# Altium PCB A_base2017.PcbDoc (part 2 of 4)
Units mil, origin at the board's own origin, x right, y up, seen from the top; angles counter-clockwise.
Board outline 3944.36 x 3947.83 mil, 2 copper layers (Top Layer, Bottom Layer); 105 components, 169 nets, 534 pads, 87 vias.
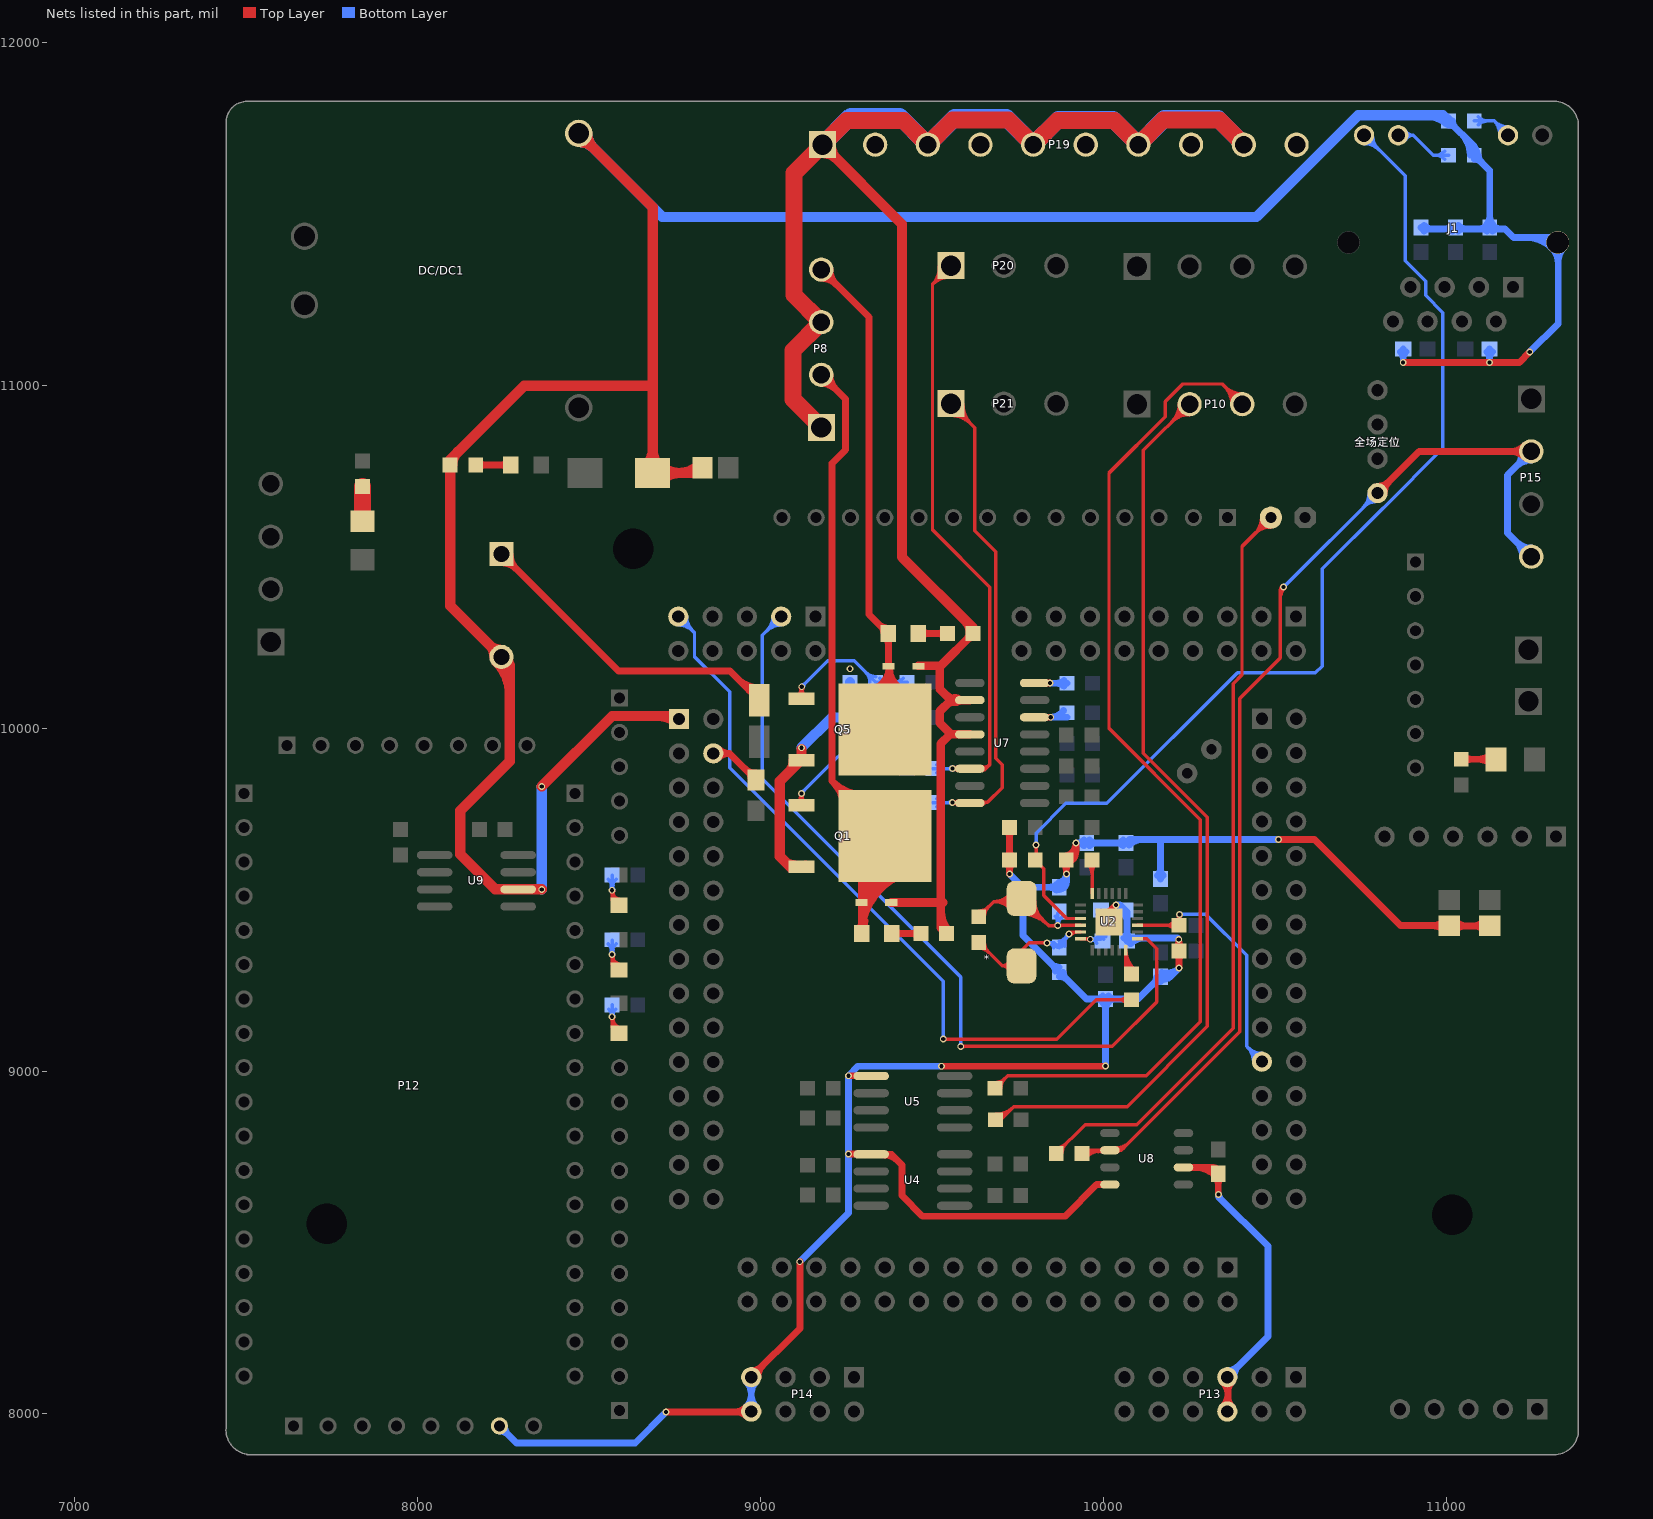
[diagram p2: the nets of this part, all layers, seen from the top]

## Via types
v1: diameter 20, hole 12, Top Layer to Bottom Layer, 86 vias
v2: diameter 12, hole 12, Top Layer to Bottom Layer, 1 vias

## Nets (pads, with @x,y where several pads share a name; then routed paths per layer and width w, separated by ;. In a path a pad name is that pad's centre, name@x,y a point inside that pad or via, vN(x,y) a via of type N, cw(c..) or ccw(c..) an arc to the next point about the centre after c; other vN are vias at no path point) (continued)
CANL: P15.2 P15.4 R60.1 U8.6 全场定位.1 | length 4049.7
  Top Layer w10: R60.1@9937.01,8759.84 9946.26,8769.09 U8.6@10018.7,8769.09 10052.09,8769.09 10397.64,9114.64 10397.64,10086.61 10515.75,10204.72 10515.75,10402.56 v1@10525,10411.81 ; R60.1@9941.71,8755.14 cw(c9975.41,8721.44) 9975.41,8769.09 ; R60.1@9948.78,8748.07 cw(c9999.55,8697.3) U8.6@9999.55,8769.09 ; 9984.46,8765.05 cw(c9989.27,8747.1) U8.6@9998.56,8763.2 ; 9987.38,8765.83 ccw(c9983.68,8779.65) U8.6@9996.07,8772.5 ; U8.6@9997.15,8764.28 ccw(c9985.53,8752.65) 9985.53,8769.09 ccw(c9985.53,8785.54) U8.6@9997.15,8773.91 ; U8.6@10035.43,8765.91 ccw(c10035.43,8798.43) 10058.43,8775.43 ; U8.6@10035.43,8775.91 ccw(c10035.43,8832.57) 10075.5,8792.5 ; U8.6@10040.25,8764.28 cw(c10051.88,8752.65) 10051.88,8769.09 cw(c10051.88,8785.54) U8.6@10040.25,8773.91 ; 10515.75,10376.93 cw(c10560.08,10376.93) v1@10528.73,10408.28 ; 10515.75,10401.07 cw(c10535.94,10401.07) v1@10521.66,10415.35 ; 10516.33,10403.14 cw(c10525.2,10394.26) v1@10525.2,10406.81 ; 10516.8,10403.61 ccw(c10508.6,10411.81) v1@10520.2,10411.81
  Top Layer w20: 全场定位.1@10799.21,10685.83 10920.67,10807.28 P15.2@11247.52,10807.28 ; 全场定位.1@10799.21,10705.35 ccw(c10799.21,10752.5) 10832.55,10719.16 ccw(c10865.88,10685.83) 全场定位.1@10818.74,10685.83 ; P15.2@11229.54,10789.3 ccw(c11186.12,10745.88) 11186.12,10807.28 ccw(c11186.12,10868.68) P15.2@11229.54,10825.27
  Bottom Layer w10: v1(10525.2,10411.81) 全场定位.1@10799.21,10685.83 ; v1@10525.2,10416.81 ccw(c10525.2,10428.88) 10533.73,10420.35 ccw(c10542.27,10411.81) v1@10530.2,10411.81 ; 全场定位.1@10774.69,10685.83 cw(c10715.47,10685.83) 10757.34,10643.96 cw(c10799.21,10602.08) 全场定位.1@10799.21,10661.3 ; 全场定位.1@10784.69,10685.83 cw(c10749.61,10685.83) 10774.41,10661.03 cw(c10799.21,10636.23) 全场定位.1@10799.21,10671.3
  Bottom Layer w20: P15.4@11222.09,10500.2 ccw(c11160.69,10500.2) 11204.1,10543.61 ccw(c11247.52,10587.03) P15.4@11247.52,10525.63 ; P15.2@11222.09,10807.28 cw(c11160.69,10807.28) 11204.1,10763.87 cw(c11247.52,10720.45) P15.2@11247.52,10781.85 ; P15.4@11247.52,10500.2 11178.15,10569.57 11178.15,10737.91 P15.2@11247.52,10807.28
D12: P10.2 R37.1 | length 2973.1
  Top Layer w10: R37.1@9684.63,8857.99 9700.57,8857.99 9738.58,8896 ; R37.1@9684.8,8864.64 ccw(c9686.12,8915.52) 9722.11,8879.53 ; R37.1@9685.06,8874.64 ccw(c9686.95,8947.62) 9738.58,8896 ; P10.2@10220.61,10945.13 cw(c10147.14,10945.13) 10199.09,10893.17 cw(c10251.04,10841.22) P10.2@10251.04,10914.69 ; P10.2@10230.61,10945.13 cw(c10181.28,10945.13) 10216.16,10910.24 cw(c10251.04,10875.36) P10.2@10251.04,10924.69 ; P10.2@10251.04,10945.13 10116,10810.08 10116,9927.31 10303.15,9740.16 10303.15,9130.15 10069,8896 9738.58,8896
D13: P10.3 R38.1 | length 3191.8
  Top Layer w10: R38.1@9684.06,8949.8 9720.47,8986.22 10124.22,8986.22 10282.48,9144.48 10282.48,9733.27 10016,9999.75 10016,10744.35 10180.12,10908.46 10180.12,10952.76 10231.3,11003.94 10345.77,11003.94 P10.3@10404.59,10945.13 ; R38.1@9684.06,8966.46 ccw(c9684.06,9006.66) 9712.48,8978.23 ccw(c9740.91,8949.8) R38.1@9700.71,8949.8 ; P10.3@10374.15,10945.13 ccw(c10300.68,10945.13) 10352.63,10997.08 ccw(c10404.59,11049.03) P10.3@10404.59,10975.56 ; P10.3@10384.15,10945.13 ccw(c10334.82,10945.13) 10369.7,10980.01 ccw(c10404.59,11014.89) P10.3@10404.59,10965.56
ETH_MDC: *.21 U2.13 | length 2551
  Top Layer w10: v1(9583.66,9071.85) 10025.39,9071.85 10155,9201.46 10155,9357 10125.98,9386.02 U2.13@10098.75,9386.02 ; v1@9587.2,9068.31 cw(c9595.73,9059.78) 9595.73,9071.85 cw(c9595.73,9083.92) v1@9587.2,9075.39
  Bottom Layer w10: *.21@9035.44,10325.51 cw(c8976.23,10325.51) 9018.1,10283.64 cw(c9059.97,10241.77) *.21@9059.97,10300.98 ; *.21@9045.44,10325.51 cw(c9010.37,10325.51) 9035.17,10300.71 cw(c9059.97,10275.91) *.21@9059.97,10310.98 ; *.21@9059.97,10325.51 9005,10270.54 9005,9853 9583.66,9274.34 v1(9583.66,9071.85) ; v1@9580.13,9075.39 ccw(c9571.59,9083.92) 9583.66,9083.92 ccw(c9595.73,9083.92) v1@9587.2,9075.39
ETH_MDIO: *.27 R1.1 | length 2398.4
  Top Layer w10: v1@9532.48,9092.85 9863.31,9092.85 9978.46,9208 R1.1@10082,9208 ; v1@9536.02,9089.97 cw(c9542.97,9083.01) 9542.97,9092.85 ; v1@9536.02,9097.04 ccw(c9546.13,9107.15) 9546.13,9092.85 ; R1.1@10070.22,9196.22 ccw(c10041.79,9167.79) 10041.79,9208 ccw(c10041.79,9248.21) R1.1@10070.22,9219.78
  Bottom Layer w10: *.27@8759.97,10300.98 cw(c8759.97,10241.77) 8801.84,10283.64 cw(c8843.71,10325.51) *.27@8784.5,10325.51 ; *.27@8759.97,10310.98 cw(c8759.97,10275.91) 8784.77,10300.71 cw(c8809.57,10325.51) *.27@8774.5,10325.51 ; *.27@8759.97,10325.51 8807.09,10278.39 8807.09,10208.66 8909.45,10106.3 8909.45,9884.55 9532.48,9261.52 v1(9532.48,9093.5) ; v1@9528.94,9097.04 ccw(c9520.41,9105.58) 9532.48,9105.58 ccw(c9544.55,9105.58) v1@9536.02,9097.04
ETH_RESET: *.109 R8.1 U2.15 | length 1050.5
  Top Layer w10: U2.15@10098.75,9425.39 R8.1@10220.28,9425.39 ; 10179.79,9425.39 cw(c10179.79,9384.52) R8.1@10208.7,9413.42 ; 10180.74,9425.39 ccw(c10180.74,9464.93) R8.1@10208.7,9436.97 ; R8.1@10211.77,9439.4 ccw(c10201.17,9456.69) v1(10221.46,9456.69) ; v1@10217.41,9453.76 cw(c10210.5,9448.76) 10218.74,9446.55 cw(c10226.98,9444.34) v1@10223.5,9452.13 ; v1@10217.92,9453.16 cw(c10209.39,9444.62) 10221.46,9444.62 cw(c10233.53,9444.62) v1@10224.99,9453.16 ; v1@10219.02,9452.33 cw(c10213.43,9442.31) 10224.52,9445.28 cw(c10235.59,9448.24) v1@10225.75,9454.13 ; R8.1@10221.46,9426.57 v1(10221.46,9456.69) ; R8.1@10230.52,9438.48 cw(c10244.29,9456.69) v1(10221.46,9456.69)
  Bottom Layer w10: v1(10221.46,9456.69) 10222.22,9457.46 10297.46,9457.46 10417.32,9337.6 10417.32,9072.16 *.109@10461.97,9027.51 ; v1@10224.99,9453.16 cw(c10235.37,9442.78) 10235.37,9457.46 ; v1@10224.99,9460.23 ccw(c10231.68,9466.92) 10231.68,9457.46 ; *.109@10437.44,9027.51 ccw(c10378.23,9027.51) 10420.1,9069.38 ccw(c10461.97,9111.25) *.109@10461.97,9052.04 ; *.109@10447.44,9027.51 ccw(c10412.37,9027.51) 10437.17,9052.31 ccw(c10461.97,9077.11) *.109@10461.97,9042.04
F6: P20.1 R50.1 U7.14 | length 2108
  Top Layer w10: P20.1@9521.14,11346.76 cw(c9453.11,11342.79) 9501.3,11294.61 ; P20.1@9531.12,11347.34 cw(c9482.89,11344.53) 9517.05,11310.36 cw(c9551.22,11276.2) P20.1@9554.03,11324.43 ; P20.1@9553.45,11314.45 ccw(c9549.48,11246.42) 9501.3,11294.61 ; P20.1@9555.45,11348.76 9501.29,11294.6 ; v1(9560,9882) 9657,9882 ; v1@9561.84,9882 cw(c9561.84,9864.91) U7.14@9573.92,9876.99 ; v1@9562.75,9882 ccw(c9562.75,9897.8) U7.14@9573.92,9886.63 ; v1@9563.54,9878.46 cw(c9572.07,9869.93) 9572.07,9882 cw(c9572.07,9894.07) v1@9563.54,9885.54 ; U7.14@9640.55,9878.85 ccw(c9646.32,9893.24) 9657.28,9882.28 ; U7.14@9644.27,9888.13 ccw(c9652.45,9908.54) 9667.99,9892.99 ; U7.14@9646.71,9886.47 ccw(c9657,9896.1) 9657,9882 ; U7.14@9646.89,9877.37 cw(c9657,9868.66) 9657,9882 ; 9501.29,11294.6 9501.29,10578.28 9667.99,10411.58 9667.99,9892.99 ; 9657,9882 9667.99,9892.99
  Bottom Layer w10: R50.1@9502,9882 v1(9560,9882) ; R50.1@9513.78,9870.22 cw(c9542.21,9841.79) 9542.21,9882 cw(c9542.21,9922.21) R50.1@9513.78,9893.78 ; v1@9556.46,9878.46 ccw(c9547.93,9869.93) 9547.93,9882 ccw(c9547.93,9894.07) v1@9556.46,9885.54
F7: P21.1 R49.1 U7.16 | length 1789.3
  Top Layer w10: P21.1@9554.56,10945.59 9624.03,10876.12 9624.03,10576.32 9685.99,10514.35 9685.99,9912.06 9704.72,9893.33 9704.72,9826.72 9661.58,9783.58 ; P21.1@9555.45,10912.11 cw(c9555.45,10833.45) 9611.07,10889.07 ; P21.1@9555.45,10922.11 cw(c9555.45,10867.6) 9594,10906.15 ; v1@9562.02,9779.56 cw(c9566.94,9772.9) 9569.08,9780.9 cw(c9571.22,9788.89) v1@9563.64,9785.58 ; v1@9562.59,9780.05 cw(c9571.13,9771.51) 9571.13,9783.58 cw(c9571.13,9795.65) v1@9562.59,9787.12 ; v1@9566.57,9783.58 ccw(c9566.57,9793.98) U7.16@9573.92,9786.63 ; U7.16@9573.75,9777.18 ccw(c9559.06,9763.53) v1(9559.05,9783.58) 9661.58,9783.58 ; P21.1@9579.82,10946.48 ccw(c9642.97,10946.48) 9598.32,10901.83 ; P21.1@9589.82,10946.48 ccw(c9677.11,10946.48) 9615.39,10884.76 ; U7.16@9646.55,9786.63 ccw(c9653.9,9793.98) 9653.9,9783.58 ; U7.16@9646.69,9777.15 cw(c9661.58,9763.15) 9661.58,9783.58
  Bottom Layer w10: R49.1@9502,9783 v1@9558.47,9783 ; R49.1@9513.78,9771.22 cw(c9542.21,9742.79) 9542.21,9783 cw(c9542.21,9823.21) R49.1@9513.78,9794.78 ; 9545.58,9783 ccw(c9545.58,9797.06) v1@9555.52,9787.12 ; 9548.39,9783 cw(c9548.39,9772.92) v1@9555.52,9780.05
G2_C: Q1.G R27.2 R30.2 | length 776
  Top Layer w10: Q1.G@9109.41,9784.96 ccw(c9086.02,9808.35) 9119.09,9808.35 ccw(c9152.17,9808.35) Q1.G@9128.78,9784.96 ; v1@9114.76,9807.54 cw(c9103.02,9800.76) 9116.12,9797.25 ; v1@9115.56,9806.5 cw(c9107.02,9797.97) 9119.09,9797.97 cw(c9131.17,9797.97) v1@9122.63,9806.5 ; v1@9116.59,9805.71 cw(c9111.3,9796.55) 9121.52,9799.28 ; 9116.67,9799.29 cw(c9126.88,9796.55) v1@9121.59,9805.71 ; Q1.G@9119.09,9775.28 v1(9119.09,9810.04) ; 9122.07,9797.25 cw(c9135.17,9800.76) v1@9123.42,9807.54
  Bottom Layer w10: v1(9119.09,9810.04) 9335.32,10026.27 R30.2@9335.32,10031 R27.2@9427.2,10031 ; v1@9119.09,9815.04 ccw(c9119.09,9827.11) 9127.63,9818.57 ccw(c9136.17,9810.04) v1@9124.09,9810.04 ; 9303.55,9994.49 ccw(c9267.04,10031) R30.2@9318.67,10031 ; 9314.97,10005.92 cw(c9335.32,9985.57) R30.2@9335.32,10014.35 ; R30.2@9320.62,10011.56 ccw(c9301.18,10031) R30.2@9328.67,10031 ; R30.2@9347.1,10019.22 cw(c9375.53,9990.79) 9375.53,10031 cw(c9375.53,10071.21) R30.2@9347.1,10042.78 ; R27.2@9415.42,10019.22 ccw(c9386.99,9990.79) 9386.99,10031 ccw(c9386.99,10071.21) R27.2@9415.42,10042.78
G2_OUT-: D5.A D6.2 P8.2 Q1.D | length 3953.4
  Top Layer w20: P8.2@9176.92,11005.14 cw(c9176.92,10943.74) 9220.34,10987.15 cw(c9263.76,11030.57) P8.2@9202.35,11030.57 ; P8.2@9176.92,11030.57 9247.05,10960.45 9247.05,10812.01 9207.68,10772.64 9207.68,9846.46 ; 9232.04,9822.09 cw(c9152.47,9742.51) Q1.D@9261.03,9712.87 ; 9234.19,9819.94 ccw(c9318.15,9903.9) Q1.D@9341.13,9787.41 ; Q1.D@9241.74,9718.14 ccw(c9114.2,9752.96) 9207.68,9846.45 ; Q1.D@9256.4,9797.73 cw(c9190.74,9732.06) Q1.D@9280.32,9707.6 ; Q1.D@9260.7,9793.43 ccw(c9326.89,9859.61) Q1.D@9345,9767.79 ; Q1.D@9273.64,9597.93 cw(c9223.67,9547.96) 9294.34,9547.96 ; D6.2@9285.5,9412.4 ccw(c9264.16,9433.74) 9294.34,9433.74 ccw(c9324.52,9433.74) D6.2@9303.18,9412.4 ; D6.2@9287.85,9414.25 ccw(c9267.89,9447.16) 9305.28,9438.01 ; D6.2@9294.34,9393.32 cw(c9489.65,9393.32) Q1.D@9411.06,9572.12 ; D6.2@9294.34,9401.06 9294.34,9603.82 9372.33,9681.81 9207.68,9846.46 ; D6.2@9294.34,9423.96 cw(c9476.19,9423.96) Q1.D@9403.01,9590.43 ; 9294.34,9454.59 cw(c9462.72,9454.59) Q1.D@9394.96,9608.74 ; D5.A@9294.34,9485.23 cw(c9449.25,9485.23) Q1.D@9386.92,9627.05 ; 9294.34,9515.87 cw(c9435.79,9515.87) Q1.D@9378.87,9645.36 ; 9294.34,9546.51 cw(c9422.32,9546.51) Q1.D@9370.82,9663.67 ; 9297.36,9481.69 ccw(c9283.82,9483.2) 9294.46,9491.71 cw(c9258.46,9467.36) 9301.13,9459.11 ; 9297.5,9442.18 ccw(c9338.95,9434.99) D6.2@9304.56,9410.76 ; 9299.85,9506.92 ccw(c9319.53,9501.92) D5.A@9302.08,9491.53 ; D5.A@9302.25,9491.46 ccw(c9299.28,9505.51) D5.A@9311.31,9497.67 ; 9302.48,9426.59 ccw(c9323.72,9421.39) D6.2@9305.03,9410.05 ; Q1.D@9337.26,9807.03 cw(c9309.42,9948.19) 9207.68,9846.45
G3_C: Q5.G R28.2 R31.2 | length 717.8
  Top Layer w10: Q5.G@9109.41,10095.51 ccw(c9086.02,10118.9) 9119.09,10118.9 ccw(c9152.17,10118.9) Q5.G@9128.78,10095.51 ; v1@9115.75,10118.56 cw(c9106.45,10113.2) 9116.82,10110.42 ; 9116.33,10108.59 cw(c9129.28,10105.12) v1@9122.58,10116.73 ; Q5.G@9119.09,10085.83 v1@9119.09,10120.08 ; 9119.09,10106.62 cw(c9134.53,10106.62) v1@9123.61,10117.53 ; Q5.G@9120.08,10096.19 Q5.G@9130,10086.27 ; 9122.69,10105.49 cw(c9139.33,10109.95) v1@9124.41,10118.56
  Bottom Layer w10: v1(9120.08,10121.06) 9195.87,10196.85 9272.67,10196.85 R31.2@9335.52,10134 R28.2@9427.2,10134 ; v1@9120.08,10126.06 ccw(c9120.08,10138.13) 9128.61,10129.6 ccw(c9137.15,10121.06) v1@9125.08,10121.06 ; R31.2@9318.87,10134 ccw(c9278.66,10134) 9307.09,10162.43 ccw(c9335.52,10190.86) R31.2@9335.52,10150.65 ; R31.2@9347.3,10122.22 cw(c9375.72,10093.79) 9375.72,10134 cw(c9375.72,10174.2) R31.2@9347.3,10145.78 ; R28.2@9415.42,10122.22 ccw(c9386.99,10093.8) 9386.99,10134 ccw(c9386.99,10174.21) R28.2@9415.42,10145.78
G3_OUT-: D7.A D8.2 P8.4 Q5.D | length 2000.5
  Top Layer w20: P8.4@9176.92,11312.22 cw(c9176.92,11250.82) 9220.34,11294.24 cw(c9263.76,11337.66) P8.4@9202.35,11337.66 ; P8.4@9176.92,11337.66 9315.94,11198.63 9315.94,10332.28 D8.2@9371.65,10276.57 ; Q5.D@9326.6,10113.77 ccw(c9304.7,10180.61) D7.A@9375.05,10180.61 ; Q5.D@9332.83,10094.76 ccw(c9313.74,10153.02) 9375.05,10153.02 ; 9346.04,10302.18 ccw(c9371.65,10327.79) D8.2@9371.65,10291.57 ; D8.2@9352.07,10296.15 cw(c9335,10279.07) D8.2@9359.15,10279.07 ; D8.2@9362.81,10265.24 cw(c9337.42,10239.85) 9373.32,10239.85 ; D7.A@9373.32,10180.62 D8.2@9373.32,10278.25 ; 9373.32,10247.95 cw(c9397.77,10247.95) D8.2@9380.48,10265.24 ; Q5.D@9375.05,9940.55 9375.05,9995.55 D7.A@9375.05,10180.62 ; 9375.05,10148.23 ccw(c9441.38,10148.23) Q5.D@9411.67,10088.92 ; Q5.D@9420.63,10106.81 cw(c9457.6,10180.62) D7.A@9375.05,10180.62
G24V: D5.K D7.K P8.1 P8.3 P19.1 P19.3 P19.5 P19.7 P19.9 R18.2 R19.1 U7.10 U7.12 | length 7187.5
  Top Layer w20: R18.2@9542.37,9401.06 R18.2@9553.24,9390.19
  Top Layer w25: D5.K@9380.95,9491.61 9531.88,9491.61 ; D7.K@9459.94,10182.09 9525.19,10182.09 R19.1@9619.68,10276.57 ; 9522.64,10182.09 9522.64,10113.98 9554.81,10081.81 ; 9525.59,9463.67 ccw(c9604.98,9463.67) R18.2@9548.84,9407.54 ; R18.2@9531.5,9411.94 9525.59,9417.84 9525.59,9955.27 9552.13,9981.81 U7.12@9610.24,9981.81 ; 9539.07,10066.07 cw(c9578.74,10026.39) U7.10@9578.74,10082.5 ; 9539.07,10097.56 ccw(c9578.74,10137.23) U7.10@9578.74,10081.12 ; 9551.23,9986.81 9522.64,10015.4 9522.64,10049.64 9554.81,10081.81 ; U7.10@9579.21,10081.3 cw(c9567.27,10094.27) 9554.81,10081.81 ; U7.10@9579.21,10082.32 ccw(c9567.27,10069.35) 9554.81,10081.81 ; U7.10@9610.24,10081.81 9554.81,10081.81 ; R19.1@9610.52,10276.57 cw(c9588.43,10276.57) 9604.05,10260.95 cw(c9619.68,10245.32) R19.1@9619.68,10267.42
  Top Layer w30: P19.1@9180.6,11677.54 cw(c9180.6,11618.71) 9222.2,11660.31 cw(c9263.8,11701.91) P19.1@9204.97,11701.91 ; P19.1@9180.6,11701.91 9412.4,11470.11 9412.4,10499.02 9619.68,10291.74 R19.1@9619.68,10276.57 ; 9597.6,10313.82 cw(c9560.35,10276.57) R19.1@9613.02,10276.57
  Top Layer w50: P8.1@9176.92,10877.03 9094.49,10959.46 9094.49,11101.68 P8.3@9176.92,11184.11 9097.44,11263.59 9097.44,11618.76 P19.1@9180.6,11701.91 9251.32,11772.64 9416.96,11772.64 P19.3@9487.68,11701.91 9559.39,11773.62 9723.06,11773.62 P19.5@9794.77,11701.91 9865.5,11772.64 10031.13,11772.64 P19.7@10101.86,11701.91 10173.57,11773.62 10337.56,11773.62 P19.9@10409.46,11701.72
  Bottom Layer w50: P19.1@9180.6,11701.91 9263.13,11784.45 9405.15,11784.45 P19.3@9487.68,11701.91 9566.28,11780.51 9716.17,11780.51 P19.5@9794.77,11701.91 9868.45,11775.59 10028.18,11775.59 P19.7@10101.86,11701.91 10177.5,11777.56 10333.62,11777.56 P19.9@10409.46,11701.72
GGND: P19.2 P19.4 P19.6 P19.8 P19.10 Q1.S Q5.S R30.1 R31.1 | length 777.4
  Top Layer w10: Q5.S@9130.95,9905.79 Q5.S@9132,9906.83
  Top Layer w30: 9070.08,9612 ccw(c9100.39,9642.32) Q1.S@9100.39,9599.45 ; 9082.38,9871.75 ccw(c9047.84,9906.3) Q5.S@9096.69,9906.3 ; Q5.S@9116.63,9906 9056.1,9845.47 9056.1,9625.98 9089.57,9592.52 Q1.S@9119.09,9592.52 ; Q5.S@9119.09,9906.3 v1@9119.09,9939 ; Q1.S@9125,9593 Q1.S@9131,9599
  Bottom Layer w30: v1(9119.09,9942.91) 9207.18,10031 R30.1@9260.52,10031 ; R30.1@9260.72,10031.2 R31.1@9260.72,10134
  other v1: 9260.83,10173.23
GND: *.29 C1.1 C2.1 C3.1 C4.1 C5.1 C6.1 C7.1 C8.1 C9.1 C10.1 C11.2 C12.1 C13.1 C14.2 C15.2 C16.1 C17.2 C18.1 C24.2 C25.2 DC/DC1.Vout- J1.13 P12.7 P13.5 P13.6 P14.7 P14.8 R6.2 R7.2 R8.2 R9.2 R10.1 R11.1 R17.2 U2.25 U4.5 U5.5 U8.2 U8.8 U9.6 | length 20309.8
  Top Layer w20: v1(8724.41,8005.41) 8970.77,8005.41 P14.8@8972.64,8007.28 ; C16.1@8814.96,10744.09 C16.1@8830.71,10759.84 ; 8920.98,8005.41 ccw(c8920.98,8058.94) P14.8@8958.83,8021.09 ; 8930.01,8005.41 cw(c8930.01,7964.65) P14.8@8958.83,7993.48 ; P14.7@8972.64,8107.28 9114.44,8249.09 v1@9114.44,8444.88 ; P14.7@8972.64,8126.81 ccw(c8972.64,8173.95) 9005.97,8140.62 ccw(c9039.31,8107.28) P14.7@8992.17,8107.28 ; v1(9255.91,8757.87) U4.5@9321.73,8757.87 ; v1(9255.91,8986.22) U5.5@9321.73,8986.22 ; U4.5@9322.32,8757.28 9381.5,8757.28 9412.4,8726.38 9412.4,8636.86 9472.82,8576.44 9887.46,8576.44 9980.12,8669.09 U8.8@10018.7,8669.09 ; U4.5@9362.13,8755.28 cw(c9362.13,8703.71) 9398.6,8740.18 ; v1(9527.56,9014.13) v1(10005.91,9014.76) ; R6.2@9717.98,9607 cw(c9698.09,9587.1) 9726.22,9587.1 cw(c9754.35,9587.1) R6.2@9734.46,9607 ; R6.2@9717.98,9623.48 ccw(c9698.09,9643.37) 9726.22,9643.37 ccw(c9754.35,9643.37) R6.2@9734.46,9623.48 ; R7.2@9717.98,9702 cw(c9698.09,9682.1) 9726.22,9682.1 cw(c9754.35,9682.1) R7.2@9734.46,9702 ; v1@9726.22,9574.97 R6.2@9726.22,9615.24 R7.2@9726.22,9710.24 ; R9.2@9882.98,9607 cw(c9863.09,9587.1) 9891.22,9587.1 cw(c9919.35,9587.1) R9.2@9899.46,9607 ; R9.2@9888.62,9626.6 ccw(c9879.73,9665.35) v1(9919.5,9665.35) 9919.5,9643.51 R9.2@9891.22,9615.24 v1@9891.22,9575.31 ; R9.2@9891.22,9626.89 ccw(c9891.22,9655.02) 9911.11,9635.13 ccw(c9931.01,9615.24) R9.2@9902.87,9615.24 ; R9.2@9893.09,9607.1 ccw(c9885.49,9640.25) 9919.5,9640.25 ; U2.25@10016.02,9435.24 10016.02,9463.98 v1(10036.5,9484.45) ; R8.2@10212.23,9342.15 cw(c10192.34,9322.26) 10220.47,9322.26 cw(c10248.61,9322.26) R8.2@10228.71,9342.15 ; R8.2@10212.23,9358.63 ccw(c10194.71,9376.15) v1@10219.49,9376.15 ; R8.2@10219.49,9351.38 v1(10219.49,9383.86) ; v1@10219.49,9380.9 ccw(c10250.98,9380.9) R8.2@10228.71,9358.63 ; v1(10220.47,9300.2) R8.2@10220.47,9350.39 ; U8.2@10233.27,8719.09 10316.34,8719.09 C24.2@10334.65,8700.79 v1@10334.65,8639.76 ; 10267.07,8719.09 cw(c10267.07,8635.18) C24.2@10326.41,8694.52 ; C24.2@10315.35,8719.09 cw(c10315.35,8683.46) C24.2@10340.55,8708.66 ; C24.2@10326.41,8690.58 cw(c10306.51,8670.68) 10334.65,8670.68 cw(c10362.78,8670.68) C24.2@10342.89,8690.58 ; P13.6@10347.22,8021.09 ccw(c10309.13,8059.18) 10362.99,8059.18 ; P13.5@10347.22,8093.48 cw(c10309.13,8055.39) 10362.99,8055.39 ; P13.6@10362.99,8025.98 P13.5@10362.99,8109.25 ; 10362.99,8049.67 ccw(c10403.41,8049.67) P13.6@10374.83,8021.09 ; 10362.99,8064.89 cw(c10403.41,8064.89) P13.5@10374.83,8093.48 ; v1(10510.83,9675.04) 10615.31,9675.04 10866.14,9424.21 C18.1@11008.86,9424.21 ; v1(10874.02,11066.93) v1(11125.98,11066.93) 11212.6,11066.93 v1(11243.11,11097.44) ; C18.1@10993.08,9410.4 ccw(c10959.75,9377.07) 10959.75,9424.21 ccw(c10959.75,9471.36) C18.1@10993.08,9438.02 ; C18.1@11009.84,9423.23 C17.2@11127.95,9423.23 ; C18.1@11024.63,9410.4 cw(c11055.59,9379.45) 11055.59,9423.23 ; C18.1@11024.63,9438.02 ccw(c11060.35,9473.73) 11060.35,9423.23 ; 11075.48,9423.23 ccw(c11075.48,9473.73) C17.2@11111.19,9438.02 ; 11080.23,9423.23 cw(c11080.23,9379.45) C17.2@11111.19,9410.4
  Top Layer w30: R17.2@8101.14,10767.72 cw(c8155.22,10767.72) 8116.98,10805.96 ; C25.2@8223.66,10207.87 ccw(c8174.33,10207.87) 8209.21,10242.76 ccw(c8244.09,10277.64) C25.2@8244.09,10228.31 ; C25.2@8229.65,10193.43 cw(c8135.36,10099.14) 8268.7,10099.14 ; C25.2@8250.86,10214.64 cw(c8207.79,10171.57) 8268.7,10171.57 ; v1@8361.71,9529.92 8225.98,9529.92 8124.02,9631.88 8124.02,9758.87 8268.7,9903.54 8268.7,10183.27 C25.2@8244.09,10207.87 8094.49,10357.48 R17.2@8094.49,10767.72 8094.49,10783.46 8310.04,10999.02 8685.04,10999.02 ; v1(8361.71,9830.22) 8567.09,10035.6 8752.88,10035.6 *.29@8761.97,10026.51 ; DC/DC1.Vout-@8469.68,11709.65 cw(c8469.68,11649.29) 8512.36,11691.97 cw(c8555.04,11734.65) DC/DC1.Vout-@8494.69,11734.65 ; DC/DC1.Vout-@8469.68,11734.65 8685.04,11519.29 8685.04,10999.02 ; C15.2@8665.02,10764.11 ccw(c8616.7,10812.43) 8685.04,10812.43 ccw(c8753.38,10812.43) C15.2@8705.06,10764.11 ; 8704.96,10035.6 cw(c8704.96,9969.5) *.29@8751.7,10016.24 ; C15.2@8712.93,10724.08 cw(c8761.25,10675.76) 8761.25,10744.09 cw(c8761.25,10812.43) C15.2@8712.93,10764.11 ; 8762.37,10744.09 ccw(c8762.37,10826.21) C16.1@8820.44,10768.15 ; C16.1@8814.96,10744.09 C15.2@8685.04,10744.09 8685.04,10999.02
  Bottom Layer w10: R11.1@11074.92,11686.55 ccw(c11070.9,11696.18) 11081.34,11696.18 ; R11.1@11081.34,11671.18 11081.34,11696.18 ; R11.1@11087.75,11686.55 cw(c11091.78,11696.18) 11081.34,11696.18
  Bottom Layer w20: P12.7@8238.19,7950.19 cw(c8238.19,7913.98) 8263.8,7939.58 cw(c8289.4,7965.19) P12.7@8253.19,7965.19 ; P12.7@8238.19,7965.19 8288.02,7915.35 8634.35,7915.35 v1(8724.41,8005.41) ; P14.8@8958.83,8021.09 ccw(c8925.49,8054.43) 8972.64,8054.43 ccw(c9019.78,8054.43) P14.8@8986.45,8021.09 ; P14.7@8958.83,8093.48 cw(c8925.49,8060.14) 8972.64,8060.14 cw(c9019.78,8060.14) P14.7@8986.45,8093.48 ; P14.8@8972.64,8007.28 P14.7@8972.64,8107.28 ; v1(9114.17,8443.9) 9116.44,8446.17 9116.44,8446.37 9255.91,8585.83 v1(9255.91,8757.87) v1(9255.91,8986.22) 9283.82,9014.13 v1(9527.56,9014.13) ; v1(9726.38,9574.8) 9765.08,9536.1 ; 9847.77,9312.62 ccw(c9871.02,9335.88) C11.2@9871.02,9302.99 ; C11.2@9852.52,9307.87 cw(c9835.99,9291.34) C11.2@9859.37,9291.34 ; C14.2@9862.78,9527.86 ccw(c9842.89,9507.97) 9842.89,9536.1 ccw(c9842.89,9564.24) C14.2@9862.78,9544.34 ; C14.2@9869.56,9549.63 ccw(c9866.36,9574.8) v1(9891.73,9574.8) ; C11.2@9871.02,9275.75 cw(c9871.02,9242.86) 9894.28,9266.12 ; C14.2@9872.08,9529.79 ccw(c9869.24,9552.1) C14.2@9891.73,9552.1 ; C14.2@9879.01,9544.09 ccw(c9848.3,9574.8) v1(9891.73,9574.8) ; C11.2@9882.68,9287.4 ccw(c9906.06,9287.4) C11.2@9889.53,9270.87 ; v1(9919.5,9665.35) C9.1@9950.91,9665.35 ; v1@9922.6,9665.35 cw(c9922.6,9636.82) C9.1@9942.78,9657 ; v1@9923.17,9665.35 ccw(c9923.17,9693.08) C9.1@9942.78,9673.48 ; C9.1@9951.02,9665.24 C10.1@10066.02,9665.24 10075.83,9675.04 10166.02,9675.04 ; C9.1@9959.26,9657 cw(c9979.16,9637.1) 9979.16,9665.24 cw(c9979.16,9693.37) C9.1@9959.26,9673.48 ; C8.1@9997.78,9200.03 cw(c9977.88,9180.15) 10006.01,9180.14 cw(c10034.14,9180.11) C8.1@10014.26,9200.02 ; C8.1@9997.78,9202 ccw(c9977.89,9182.1) 9977.89,9210.24 ccw(c9977.89,9238.37) C8.1@9997.78,9218.48 ; v1(10005.91,9014.76) C8.1@10006.02,9210.24 ; C8.1@10014.26,9202 cw(c10034.16,9182.1) 10034.16,9210.24 cw(c10034.16,9238.37) C8.1@10014.26,9218.48 ; C7.1@10056.65,9476.1 ccw(c10036.5,9455.95) v1(10036.5,9484.45) 10048.3,9484.45 C7.1@10063.3,9469.45 ; C7.1@10057.03,9461.21 cw(c10029.82,9434) 10068.3,9434 ; C10.1@10057.78,9657 ccw(c10037.89,9637.1) 10037.89,9665.24 ccw(c10037.89,9693.37) C10.1@10057.78,9673.48 ; C6.1@10060.06,9387.69 ccw(c10040.17,9407.58) 10068.3,9407.58 ccw(c10096.43,9407.58) C6.1@10076.54,9387.69 ; C7.1@10068.3,9464.45 C6.1@10068.3,9379.45 C6.1@10076.57,9387.72 ; C10.1@10074.26,9658.96 cw(c10113.07,9620.16) 10113.07,9675.04 ; C6.1@10078.51,9371.21 cw(c10118.38,9331.34) 10118.38,9387.72 ; 10142.77,9251.98 cw(c10166.02,9228.73) C12.1@10166.02,9261.61 ; C12.1@10147.52,9256.73 ccw(c10130.99,9273.27) C12.1@10154.37,9273.27 ; C13.1@10157.78,9570.44 ccw(c10137.89,9590.34) 10166.02,9590.34 ccw(c10194.16,9590.34) C13.1@10174.26,9570.44 ; C12.1@10163.37,9269.29 ccw(c10173.99,9300.99) 10197.63,9277.35 ; C13.1@10166.02,9560.24 10166.02,9675.04 ; C12.1@10169.72,9288.25 ccw(c10185.45,9335.21) v1(10220.47,9300.2) 10195.51,9275.24 C12.1@10166.02,9275.24 10101.02,9210.24 C8.1@10006.02,9210.24 ; C12.1@10174.26,9267 cw(c10194.16,9247.1) 10194.16,9275.24 cw(c10194.16,9303.37) C12.1@10174.26,9283.48 ; 10210.15,9387.72 cw(c10210.15,9374.52) v1(10219.49,9383.86) 10215.62,9387.72 C6.1@10076.57,9387.72 ; v1@10334.65,8639.76 10334.65,8634.88 10479.33,8490.2 10479.33,8225.59 P13.5@10362.99,8109.25 ; v1(10335.63,8639.76) ccw(c10349.79,8639.76) 10339.78,8629.75 ; P13.5@10361.02,8126.81 ccw(c10361.02,8173.95) 10394.36,8140.62 ccw(c10427.69,8107.28) P13.5@10380.55,8107.28 ; v1(10510.83,9675.04) 10166.02,9675.04 ; C5.1@10865.78,11098.06 cw(c10845.88,11078.17) 10874.02,11078.17 cw(c10902.15,11078.17) C5.1@10882.26,11098.06 ; v1(10874.02,11066.93) C5.1@10874.02,11106.3 ; C1.1@10926.46,11460.12 10930.39,11456.18 11171.34,11456.18 11196.34,11431.18 11311.46,11431.18 11326.46,11416.18 11326.46,11180.79 v1(11243.11,11097.44) ; C1.1@10934.7,11449.91 cw(c10949.84,11434.77) 10949.84,11456.18 ; C1.1@10934.7,11466.39 ccw(c10959.34,11491.04) 10959.34,11456.18 ; 10993.57,11456.18 ccw(c10993.57,11491.04) C4.1@11018.22,11466.39 ; 11003.07,11456.18 cw(c11003.07,11434.77) C4.1@11018.22,11449.91 ; R10.1@11006.34,11759.53 cw(c11006.34,11731.39) 11026.23,11751.29 cw(c11046.13,11771.18) R10.1@11017.99,11771.18 ; R10.1@11006.34,11771.18 11081.34,11696.18 ; C4.1@11034.7,11449.91 cw(c11049.84,11434.77) 11049.84,11456.18 ; C4.1@11034.7,11466.39 ccw(c11059.34,11491.04) 11059.34,11456.18 ; 11043.77,11733.75 cw(c10981.2,11671.18) R11.1@11069.68,11671.18 ; 11077.91,11699.61 cw(c11049.48,11671.18) R11.1@11089.68,11671.18 ; R11.1@11081.34,11659.53 cw(c11081.34,11631.39) 11101.23,11651.29 cw(c11121.13,11671.18) R11.1@11092.99,11671.18 ; R11.1@11081.34,11671.18 11126.46,11626.06 C2.1@11126.46,11460.12 ; 11093.57,11456.18 ccw(c11093.57,11491.04) C2.1@11118.22,11466.39 ; 11103.07,11456.18 cw(c11103.07,11434.77) C2.1@11118.22,11449.91 ; C3.1@11117.74,11098.06 cw(c11097.85,11078.17) 11125.98,11078.17 cw(c11154.12,11078.17) C3.1@11134.22,11098.06 ; C2.1@11118.22,11470.33 ccw(c11098.32,11490.22) 11126.46,11490.22 ccw(c11154.59,11490.22) C2.1@11134.7,11470.33 ; v1(11125.98,11066.93) C3.1@11125.98,11106.3 ; C2.1@11134.7,11449.91 cw(c11149.84,11434.77) 11149.84,11456.18 ; C2.1@11134.7,11466.39 ccw(c11159.34,11491.04) 11159.34,11456.18 ; 11232.51,11431.18 cw(c11232.51,11324.13) 11308.21,11399.83 cw(c11264.16,11355.78) 11326.46,11355.78 ; 11280.8,11431.18 cw(c11280.8,11372.41) J1.13@11322.35,11413.97 ; 11326.46,11363.76 cw(c11377.46,11363.76) J1.13@11341.39,11399.83 ; 9765.08,9536.1 9765.08,9395.31 C11.2@9871.02,9289.37 9950.16,9210.24 C8.1@10006.02,9210.24 ; 9765.08,9536.1 C14.2@9871.02,9536.1 9891.73,9556.81 v1(9891.73,9574.8)
  Bottom Layer w30: v1(8361.71,9529.53) v1(8361.71,9830.22) ; DC/DC1.Vout-@8469.68,11709.65 cw(c8469.68,11649.29) 8512.36,11691.97 cw(c8555.04,11734.65) DC/DC1.Vout-@8494.69,11734.65 ; DC/DC1.Vout-@8469.68,11734.65 8713.19,11491.14 10446.49,11491.14 10742.75,11787.4 10990.12,11787.4 R10.1@11006.34,11771.18 ; 10951.12,11787.4 cw(c10951.12,11715.96) R10.1@11001.63,11766.48
LINK_LED: J1.12 R6.1 U2.3 | length 3335.7
  Top Layer w10: v1@9799.76,9655.91 cw(c9791.23,9647.38) 9803.3,9647.38 cw(c9815.37,9647.38) v1@9806.83,9655.91 ; R6.1@9801.02,9615.24 9826,9590.26 9826,9512 9892.92,9445.08 U2.3@9933.3,9445.08 ; R6.1@9803.3,9617.51 v1(9803.3,9659.45)
  Bottom Layer w10: v1@9799.76,9662.98 ccw(c9791.23,9671.52) 9803.3,9671.52 ccw(c9815.37,9671.52) v1@9806.83,9662.98 ; v1(9803.3,9659.45) 9803.3,9694.05 9889.76,9780.51 10009.84,9780.51 10390.75,10161.42 10618.11,10161.42 10637.8,10181.1 10637.8,10464.57 10816.53,10643.3 10816.83,10643.3 10989.54,10816.01 10989.54,11212.24 10939.54,11262.24 10939.54,11303.99 10879.92,11363.61 10879.92,11610.67 J1.12@10761.5,11729.09 ; J1.12@10759.84,11704.8 cw(c10759.84,11642.17) 10804.13,11686.46 ; J1.12@10759.84,11714.8 cw(c10759.84,11676.31) 10787.06,11703.53 ; J1.12@10774.37,11729.33 ccw(c10806.02,11729.33) 10783.64,11706.95 ; J1.12@10784.37,11729.33 ccw(c10840.16,11729.33) 10800.71,11689.88
M5V: C25.1 D9.K | length 1128.5
  Top Layer w20: C25.1@8244.09,10482.44 cw(c8244.09,10421.04) 8287.51,10464.46 cw(c8330.93,10507.87) C25.1@8269.53,10507.87 ; C25.1@8244.09,10507.87 8585.63,10166.34 8910.7,10166.34 D9.K@8996,10081.04 ; 8932.42,10144.62 ccw(c8996,10208.2) D9.K@8996,10118.28 ; D9.K@8966.56,10110.48 ccw(c8996,10139.91) D9.K@8996,10098.28
Net*_32: *.32 F1.1 | length 288.1
  Top Layer w20: *.32@8861.97,9926.51 8909.49,9926.51 F1.1@8987,9849 ; *.32@8875.78,9912.7 cw(c8909.11,9879.37) 8909.11,9926.51 cw(c8909.11,9973.66) *.32@8875.78,9940.32 ; 8952.86,9883.14 ccw(c8987,9917.28) F1.1@8987,9869 ; F1.1@8964.93,9871.07 cw(c8947.86,9854) F1.1@8972,9854
NetC6_2: C6.2 C7.2 U2.6 | length 392.6
  Top Layer w10: U2.6@9933.3,9386.02 v1@9959.92,9386.02 ; U2.6@9945.62,9386.02 cw(c9945.62,9368.58) v1@9957.96,9380.91
  Bottom Layer w10: v1@9964.14,9388.69 ccw(c9972.35,9401.86) C6.2@9976.37,9386.87 ; v1@9964.35,9380.34 cw(c9969.55,9372.86) 9971.9,9381.66 cw(c9974.26,9390.46) v1@9966.02,9386.58 ; v1@9965.03,9380.91 cw(c9973.57,9372.38) 9973.57,9384.45 cw(c9973.57,9396.52) v1@9965.03,9387.98 ; v1@9967.33,9384.45 ccw(c9967.33,9407.58) 9983.69,9391.22 ccw(c9962.58,9412.34) 9992.43,9412.34 ; C6.2@9980.37,9372.42 ccw(c9961.5,9363.63) v1(9961.5,9384.45) 9992.43,9384.45 C7.2@9992.43,9469.45 ; C7.2@9980.66,9457.67 cw(c9952.23,9429.24) 9992.43,9429.24 cw(c10032.64,9429.24) C7.2@10004.21,9457.67 ; 9992.43,9402.83 ccw(c10018.85,9402.83) C6.2@10000.17,9384.15 ; 9992.43,9426.97 ccw(c10042.99,9426.97) C6.2@10007.24,9391.22
NetC11_1: C11.1 R12.2 U2.5 Y1.2 | length 759
  Top Layer w10: R12.2@9636.02,9358.78 cw(c9636.02,9318.57) 9664.45,9347 cw(c9692.88,9375.43) R12.2@9652.68,9375.43 ; R12.2@9636.02,9375.43 9704.65,9306.81 ; Y1.2@9725.41,9292.7 ccw(c9704.65,9284.48) 9704.65,9306.81 ; Y1.2@9725.41,9320.92 cw(c9704.65,9329.14) 9704.65,9306.81 ; v1@9832.09,9370.48 ccw(c9823.56,9361.94) 9823.56,9374.02 ccw(c9823.56,9386.09) v1@9832.09,9377.55 ; v1(9835.63,9374.02) 9783.46,9374.02 9763.3,9353.85 9763.3,9309.09 Y1.2@9761.02,9306.81 9704.65,9306.81 ; v1(9899.61,9399.61) 9905.71,9405.71 U2.5@9933.3,9405.71 ; v1@9903.14,9396.07 cw(c9926.41,9372.8) U2.5@9926.41,9405.71
  Bottom Layer w10: v1@9839.17,9370.48 cw(c9848.75,9360.9) 9848.75,9374.45 ; v1@9839.17,9377.55 ccw(c9846.66,9385.04) 9846.66,9374.45 ; 9847.88,9374.45 cw(c9847.88,9357.48) C11.1@9864.5,9360.87 ; C11.1@9854.71,9358.87 ccw(c9835.63,9354.98) 9835.63,9374.45 9856.81,9374.45 C11.1@9871.02,9360.24 9871.02,9372.17 v1@9899.61,9400.76 ; C11.1@9871.02,9378.86 ccw(c9871.02,9395) C11.1@9882.44,9383.59 ; C11.1@9877.61,9363.14 cw(c9905.01,9367.02) 9885.44,9386.59 ; C11.1@9887.51,9364.54 cw(c9929.82,9370.54) v1@9899.6,9400.75 ; 9889.11,9390.26 cw(c9899.61,9379.76) v1@9899.61,9394.61 ; 9891.88,9393.03 ccw(c9885.31,9399.61) v1@9894.61,9399.61 ; 9892.38,9388.24 cw(c9904.53,9381.22) v1@9900.9,9394.78 ; 9893.77,9390.64 ccw(c9885.01,9395.7) v1@9894.78,9398.31 ; v1(9899.61,9399.61) v1@9899.61,9400.76
NetC14_1: C14.1 R12.1 U2.4 Y1.1 | length 1096.6
  Top Layer w10: R12.1@9636.02,9450.24 9680.24,9494.45 ; R12.1@9636.02,9466.89 ccw(c9636.02,9507.09) 9664.45,9478.67 ccw(c9692.88,9450.24) R12.1@9652.68,9450.24 ; 9700.62,9494.45 ccw(c9700.62,9542.51) Y1.1@9738.63,9513.11 ; 9702.09,9494.45 cw(c9702.09,9444.88) Y1.1@9739.6,9477.28 ; Y1.1@9730.72,9519.22 cw(c9680.24,9558.27) 9680.24,9494.45 ; Y1.1@9732.03,9470.75 ccw(c9680.24,9426.01) 9680.24,9494.45 ; Y1.1@9761.02,9457.48 cw(c9761.02,9345.99) 9839.86,9424.83 ; Y1.1@9761.02,9467.48 cw(c9761.02,9380.13) 9822.79,9441.9 ; Y1.1@9761.02,9477.48 cw(c9761.02,9414.27) 9805.72,9458.97 ; Y1.1@9789.33,9495.79 ccw(c9838.66,9495.79) 9803.78,9460.91 ; Y1.1@9799.33,9495.79 ccw(c9872.8,9495.79) 9820.85,9443.83 ; v1@9862.96,9420.91 ccw(c9854.42,9412.38) 9854.42,9424.45 ccw(c9854.42,9436.52) v1@9862.96,9427.98 ; v1(9866.5,9424.45) 9840.24,9424.45 Y1.1@9761.02,9503.66 9751.81,9494.45 9680.24,9494.45 ; v1@9867.44,9425.39 U2.4@9933.3,9425.39 ; v1@9870.03,9420.91 cw(c9880.85,9410.1) 9880.85,9425.39
  Bottom Layer w10: C14.1@9859.25,9451.49 cw(c9841.75,9433.99) v1@9866.5,9433.99 ; v1@9862.19,9427 ccw(c9845.14,9437.1) C14.1@9864.29,9442.23 ; v1@9862.96,9427.98 ccw(c9854.42,9436.52) 9866.5,9436.52 ccw(c9878.57,9436.52) v1@9870.03,9427.98 ; v1@9864,9428.78 ccw(c9857.85,9439.43) 9869.73,9436.25 ; v1@9866.5,9424.19 cw(c9896.49,9424.19) C14.1@9880.11,9449.31 ; v1(9866.5,9424.45) 9866.5,9460.71 C14.1@9871.02,9465.24 ; 9869.64,9435.93 ccw(c9881.08,9432.87) v1@9870.83,9426.95
NetD1_2: D1.2 R14.2 | length 225.3
  Top Layer w20: R14.2@11043.31,9909.45 D1.2@11144.79,9909.45 ; R14.2@11051.55,9901.21 cw(c11071.44,9881.31) 11071.44,9909.45 cw(c11071.44,9937.58) R14.2@11051.55,9917.69 ; D1.2@11129.94,9894.6 ccw(c11094.09,9858.75) 11094.09,9909.45 ccw(c11094.09,9960.15) D1.2@11129.94,9924.3
NetD2_2: D2.2 R15.2 | length 101.5
  Top Layer w50: D2.2@7838.58,10603.24 R15.2@7838.58,10704.72
NetD4_2: D4.2 R17.1 | length 194
  Top Layer w20: R17.1@8169.29,10767.72 D4.2@8271.65,10767.72 ; R17.1@8177.53,10759.48 cw(c8197.43,10739.58) 8197.43,10767.72 cw(c8197.43,10795.85) R17.1@8177.53,10775.96 ; D4.2@8262.81,10758.88 ccw(c8241.48,10737.54) 8241.48,10767.72 ccw(c8241.48,10797.89) D4.2@8262.81,10776.56
NetD6_1: D6.1 R18.1 | length 176.8
  Top Layer w20: D6.1@9382.34,9401.06 R18.1@9467.57,9401.06 ; D6.1@9391.18,9392.22 cw(c9412.52,9370.89) 9412.52,9401.06 cw(c9412.52,9431.24) D6.1@9391.18,9409.9 ; R18.1@9459.33,9392.82 ccw(c9439.43,9372.93) 9439.43,9401.06 ccw(c9439.43,9429.2) R18.1@9459.33,9409.3
NetD8_1: D8.1 R19.2 | length 176.8
  Top Layer w20: D8.1@9459.65,10276.57 R19.2@9544.87,10276.57 ; D8.1@9468.48,10267.74 cw(c9489.82,10246.4) 9489.82,10276.57 cw(c9489.82,10306.75) D8.1@9468.48,10285.41 ; R19.2@9536.63,10268.33 ccw(c9516.74,10248.44) 9516.74,10276.57 ccw(c9516.74,10304.71) R19.2@9536.63,10284.81
NetF12_1: F12.1 R56.1 | length 338.2
  Top Layer w10: v1@8563.39,9524.02 cw(c8554.86,9515.49) 8566.93,9515.49 cw(c8579,9515.49) v1@8570.46,9524.02 ; v1@8564.43,9523.23 cw(c8558.39,9512.78) 8570.05,9515.9 cw(c8581.71,9519.02) v1@8571.26,9525.06 ; F12.1@8566.93,9502.36 ccw(c8588.43,9502.36) F12.1@8583.55,9481.42 ; 8566.93,9514.96 ccw(c8591.37,9514.96) F12.1@8585.82,9491.15 ; F12.1@8586.61,9483.85 8566.93,9503.54 v1(8566.93,9527.56) ccw(c8594.31,9527.56) F12.1@8588.09,9500.89
  Bottom Layer w10: R56.1@8555.15,9560.07 cw(c8526.72,9531.64) 8566.93,9531.64 cw(c8607.13,9531.65) R56.1@8578.7,9560.07 ; v1@8562.6,9530.06 ccw(c8549.02,9537.9) 8564.17,9541.96 ; v1@8563.39,9531.09 ccw(c8554.86,9539.63) 8566.93,9539.63 ccw(c8579,9539.63) v1@8570.46,9531.09 ; v1(8566.93,9527.56) R56.1@8566.93,9570.87 ; 8569.69,9541.96 ccw(c8584.84,9537.9) v1@8571.26,9530.06
NetF13_1: F13.1 R57.1 | length 354.4
  Top Layer w10: v1@8563.39,9336.03 cw(c8554.86,9327.5) 8566.93,9327.5 cw(c8579,9327.5) v1@8570.46,9336.03 ; v1@8564.43,9335.24 cw(c8558.39,9324.78) 8570.05,9327.91 cw(c8581.71,9331.03) v1@8571.26,9337.07 ; F13.1@8566.93,9313.8 ccw(c8588.96,9313.8) F13.1@8583.49,9292.45 ; 8566.93,9326.68 ccw(c8592.26,9326.68) F13.1@8585.98,9302.14 ; F13.1@8586.61,9294.87 8566.93,9314.56 v1(8566.93,9339.57) ccw(c8595.56,9339.57) F13.1@8588.46,9311.83
  Bottom Layer w10: R57.1@8555.15,9371.1 cw(c8526.72,9342.67) 8566.93,9342.67 cw(c8607.13,9342.67) R57.1@8578.7,9371.1 ; v1@8562.6,9342.07 ccw(c8549.77,9349.47) 8564.08,9353.31 ; v1@8563.39,9343.1 ccw(c8554.86,9351.64) 8566.93,9351.64 ccw(c8579,9351.64) v1@8570.46,9343.1 ; v1@8564.43,9343.9 ccw(c8559.76,9351.98) 8568.78,9349.56 ; 8565.08,9349.56 ccw(c8574.09,9351.98) v1@8569.43,9343.9 ; v1@8566.93,9338.58 v1(8566.93,9339.57) R57.1@8566.93,9381.89 ; 8569.78,9353.31 ccw(c8584.09,9349.47) v1@8571.26,9342.07
NetF14_1: F14.1 R58.1 | length 343.4
  Top Layer w10: v1@8563.39,9154.93 cw(c8554.86,9146.39) 8566.93,9146.39 cw(c8579,9146.39) v1@8570.46,9154.93 ; v1@8564.43,9154.13 cw(c8558.39,9143.68) 8570.05,9146.81 cw(c8581.71,9149.93) v1@8571.26,9155.96 ; F14.1@8566.93,9130.42 ccw(c8591.2,9130.42) F14.1@8583.3,9107.47 ; 8566.93,9144.44 ccw(c8596.03,9144.44) F14.1@8586.56,9116.93 ; F14.1@8586.61,9109.83 8566.93,9129.52 v1(8566.93,9158.46) ccw(c8600.86,9158.46) F14.1@8589.81,9126.38
  Bottom Layer w10: R58.1@8556.59,9179.86 cw(c8539.63,9158.47) v1(8566.93,9158.46) ; v1@8562.6,9160.96 ccw(c8552.14,9167) 8563.81,9170.13 ; v1@8563.39,9162 ccw(c8554.86,9170.54) 8566.93,9170.54 ccw(c8579,9170.54) v1@8570.46,9162 ; 8563.81,9170.12 ccw(c8575.46,9173.25) v1@8569.43,9162.79 ; v1@8564.43,9162.79 ccw(c8558.39,9173.25) 8570.05,9170.12 ; R58.1@8566.93,9192.91 v1(8566.93,9158.46) ; 8570.05,9170.13 ccw(c8581.71,9167) v1@8571.26,9160.96 ; R58.1@8577.27,9179.86 ccw(c8594.23,9158.47) v1(8566.93,9158.46)
NetJ1_10: J1.10 R10.2 | length 322.3
  Bottom Layer w10: R10.2@11081.14,11771.18 11139.25,11771.18 ; R10.2@11092.92,11759.41 cw(c11121.35,11730.98) 11121.35,11771.18 cw(c11121.35,11811.39) R10.2@11092.92,11782.96 ; 11140.23,11770.2 ccw(c11179.68,11809.65) J1.10@11179.68,11753.86 ; J1.10@11155.18,11730.35 ccw(c11100.69,11732.62) 11139.25,11771.18 ; 11155.37,11755.06 cw(c11131.63,11731.33) J1.10@11165.17,11729.93 ; 11157.3,11753.13 ccw(c11179.68,11775.51) J1.10@11179.68,11743.86 ; J1.10@11181.34,11729.09 11139.25,11771.18
NetJ1_11: J1.11 R11.2 | length 287
  Bottom Layer w10: J1.11@10861.34,11729.09 10903.43,11729.09 10961.34,11671.18 R11.2@11006.54,11671.18 ; J1.11@10880.51,11716.37 cw(c10903.42,11702.1) 10903.42,11729.09 cw(c10903.42,11755.57) J1.11@10880.72,11741.95 ; R11.2@10994.76,11659.41 ccw(c10966.33,11630.98) 10966.33,11671.18 ccw(c10966.33,11711.39) R11.2@10994.76,11682.96
NetP16_1: P16.1 R60.2 | length 2435.6
  Top Layer w10: R60.2@9862.2,8759.84 9946.36,8844 10096.91,8844 10377.95,9125.04 10377.95,10129.92 10404,10155.97 10404,10529.98 P16.1@10488.19,10614.17 ; R60.2@9862.2,8776.5 ccw(c9862.2,8816.7) 9890.63,8788.27 ccw(c9919.06,8759.84) R60.2@9878.86,8759.84 ; P16.1@10460.69,10614.17 cw(c10394.3,10614.17) 10441.24,10567.23 cw(c10488.19,10520.28) P16.1@10488.19,10586.67 ; P16.1@10470.69,10614.17 cw(c10428.44,10614.17) 10458.31,10584.3 cw(c10488.19,10554.42) P16.1@10488.19,10596.67
NetR1_2: R1.2 U2.12 | length 226.9
  Top Layer w10: 10065.24,9310.79 ccw(c10104.48,9310.79) R1.2@10079.9,9280.19 ; 10065.24,9331.65 ccw(c10121.24,9331.65) R1.2@10086.17,9287.99 ; R1.2@10082,9282.8 10065.24,9299.57 U2.12@10065.24,9352.51 ccw(c10137.99,9352.51) R1.2@10092.43,9295.79
NetR9_1: R9.1 U2.24 | length 159.6
  Top Layer w10: R9.1@9954.25,9603.46 cw(c9923.92,9573.13) 9966.81,9573.13 ; U2.24@9966.81,9517.96 R9.1@9966.81,9614.45 ; 9966.81,9576.93 cw(c10004.33,9576.93) R9.1@9977.8,9603.46
NetR21_2: R21.2 U7.6 | length 138.2
  Top Layer w20: U7.6@9799.21,10031.81 v1(9846.26,10031.81)
  Bottom Layer w20: R21.2@9883.56,10051.55 cw(c9846.26,10076.91) v1(9846.26,10031.81) R21.2@9893.5,10031.81
NetR22_2: R22.2 U7.8 | length 137.4
  Top Layer w20: U7.8@9799.21,10131.81 v1(9844.29,10131.81)
  Bottom Layer w20: v1@9845.1,10131 R22.2@9893.2,10131 ; R22.2@9884.96,10122.76 ccw(c9865.06,10102.87) 9865.06,10131 ccw(c9865.06,10159.13) R22.2@9884.96,10139.24